# Altium PCB AIWAC_A33_RGB5寸LCD驱动板_20190109.PcbDoc (part 14 of 14)
Units mm, origin at the board's own origin, x right, y up, seen from the top; angles counter-clockwise.
Board outline 96.45 x 44.9 mm, 2 copper layers (Top Layer, Bottom Layer); 32 components, 42 nets, 22766 pads, 749 vias.
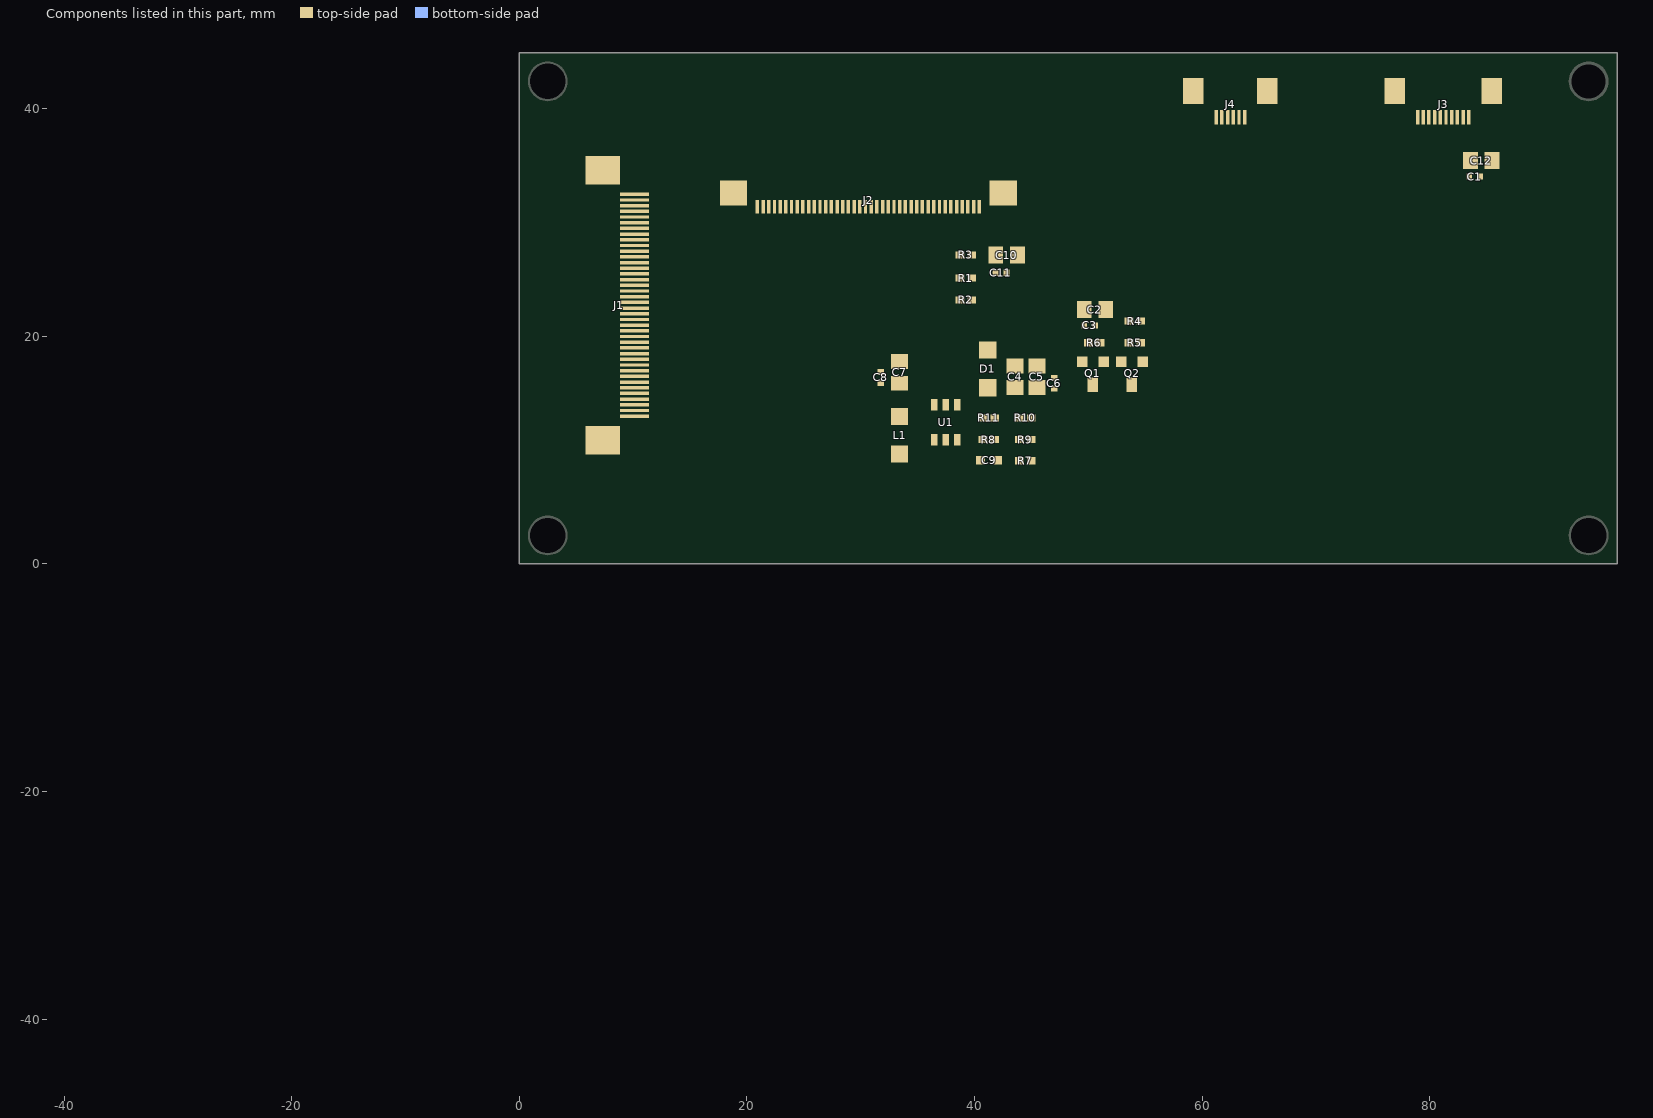
[diagram p14: the components of this part, seen from the top]

## Silkscreen, mask and mechanical layers (free items; w line width, h text height) (continued)
Mechanical 11:
  drawing of 498 lines, arcs and shapes, not listed
  text "M1" at -39.043,-44.145 h0
  text "M1" at -39.043,-44.145 h0
  text "M1" at -39.043,-44.145 h0
Mechanical 12:
  drawing of 372 lines, arcs and shapes, not listed
Mechanical 13:
  drawing of 1761 lines, arcs and shapes, not listed
Mechanical 14:
  drawing of 459 lines, arcs and shapes, not listed
Mechanical 15:
  drawing of 1848 lines, arcs and shapes, not listed
Mechanical 16:
  lines w0: -39.049,-44.11 ccw(c-39.049,-44.11) -39.048,-44.11 ; -39.049,-44.11 ccw(c-39.049,-44.11) -39.048,-44.11 ; -39.049,-44.11 ccw(c-39.049,-44.11) -39.048,-44.11 ; -39.048,-44.11 -39.048,-44.109 ; -39.049,-44.11 -39.049,-44.109 ; -39.049,-44.11 -39.049,-44.109 ; -39.048,-44.11 -39.048,-44.109 ; -39.049,-44.11 -39.049,-44.109 ; -39.048,-44.11 -39.048,-44.109 ; -39.048,-44.109 ccw(c-39.049,-44.109) -39.049,-44.109 ; -39.048,-44.109 ccw(c-39.049,-44.109) -39.049,-44.109 ; -39.048,-44.109 ccw(c-39.049,-44.109) -39.049,-44.109 ; -39.049,-44.105 ccw(c-39.049,-44.105) -39.048,-44.105 ; -39.049,-44.105 ccw(c-39.049,-44.105) -39.048,-44.105 ; -39.049,-44.105 ccw(c-39.049,-44.105) -39.048,-44.105 ; -39.048,-44.105 -39.048,-44.103 ; -39.049,-44.105 -39.049,-44.103 ; -39.049,-44.105 -39.049,-44.103 ; -39.048,-44.105 -39.048,-44.103 ; -39.049,-44.105 -39.049,-44.103 ; -39.048,-44.105 -39.048,-44.103 ; -39.048,-44.103 ccw(c-39.049,-44.103) -39.049,-44.103 ; -39.048,-44.103 ccw(c-39.049,-44.103) -39.049,-44.103 ; -39.048,-44.103 ccw(c-39.049,-44.103) -39.049,-44.103 ; -38.987,-44.094 ccw(c-38.987,-44.094) -38.987,-44.094 ; -38.987,-44.095 ccw(c-38.987,-44.095) -38.987,-44.095 ; -38.987,-44.095 ccw(c-38.987,-44.095) -38.987,-44.095 ; -38.987,-44.094 ccw(c-38.987,-44.094) -38.987,-44.094 ; -38.987,-44.095 ccw(c-38.987,-44.095) -38.987,-44.095 ; -38.987,-44.094 ccw(c-38.987,-44.094) -38.987,-44.094 ; -38.987,-44.095 -38.987,-44.094 ; -38.987,-44.095 -38.987,-44.094 ; -38.987,-44.095 -38.987,-44.094 ; -38.987,-44.095 -38.987,-44.094 ; -38.987,-44.095 -38.987,-44.094 ; -38.987,-44.095 -38.987,-44.094 ; -38.981,-44.094 ccw(c-38.981,-44.094) -38.981,-44.094 ; -38.981,-44.096 ccw(c-38.981,-44.096) -38.981,-44.096 ; -38.981,-44.096 ccw(c-38.981,-44.096) -38.981,-44.096 ; -38.981,-44.094 ccw(c-38.981,-44.094) -38.981,-44.094 ; -38.981,-44.096 ccw(c-38.981,-44.096) -38.981,-44.096 ; -38.981,-44.094 ccw(c-38.981,-44.094) -38.981,-44.094 ; -38.981,-44.096 -38.981,-44.094 ; -38.981,-44.096 -38.981,-44.094 ; -38.981,-44.096 -38.981,-44.094 ; -38.981,-44.096 -38.981,-44.094 ; -38.981,-44.096 -38.981,-44.094 ; -38.981,-44.096 -38.981,-44.094
  lines w0.001: -39.045,-44.133 cw(c-39.045,-44.133) -39.045,-44.132 ; -39.045,-44.133 ccw(c-39.045,-44.133) -39.045,-44.132 ; -39.045,-44.133 ccw(c-39.045,-44.133) -39.045,-44.132 ; -39.045,-44.133 cw(c-39.045,-44.133) -39.045,-44.132 ; -39.045,-44.133 ccw(c-39.045,-44.133) -39.045,-44.132 ; -39.045,-44.133 cw(c-39.045,-44.133) -39.045,-44.132 ; -39.045,-44.125 ccw(c-39.045,-44.125) -39.045,-44.126 ; -39.045,-44.126 ccw(c-39.045,-44.125) -39.045,-44.125 ; -39.045,-44.126 ccw(c-39.045,-44.125) -39.045,-44.125 ; -39.045,-44.125 ccw(c-39.045,-44.125) -39.045,-44.126 ; -39.045,-44.126 ccw(c-39.045,-44.125) -39.045,-44.125 ; -39.045,-44.125 ccw(c-39.045,-44.125) -39.045,-44.126
  lines w0.002: -39.048,-44.148 cw(c-39.047,-44.148) -39.047,-44.148 ; -39.048,-44.148 ccw(c-39.047,-44.148) -39.047,-44.148 ; -39.048,-44.148 ccw(c-39.047,-44.148) -39.047,-44.148 ; -39.048,-44.148 cw(c-39.047,-44.148) -39.047,-44.148 ; -39.048,-44.148 ccw(c-39.047,-44.148) -39.047,-44.148 ; -39.048,-44.148 cw(c-39.047,-44.148) -39.047,-44.148 ; -39.048,-44.096 cw(c-39.047,-44.096) -39.047,-44.096 ; -39.048,-44.096 ccw(c-39.047,-44.096) -39.047,-44.096 ; -39.048,-44.096 ccw(c-39.047,-44.096) -39.047,-44.096 ; -39.048,-44.096 cw(c-39.047,-44.096) -39.047,-44.096 ; -39.048,-44.096 ccw(c-39.047,-44.096) -39.047,-44.096 ; -39.048,-44.096 cw(c-39.047,-44.096) -39.047,-44.096 ; -38.977,-44.148 cw(c-38.976,-44.148) -38.976,-44.148 ; -38.977,-44.148 ccw(c-38.976,-44.148) -38.976,-44.148 ; -38.977,-44.148 ccw(c-38.976,-44.148) -38.976,-44.148 ; -38.977,-44.148 cw(c-38.976,-44.148) -38.976,-44.148 ; -38.977,-44.148 ccw(c-38.976,-44.148) -38.976,-44.148 ; -38.977,-44.148 cw(c-38.976,-44.148) -38.976,-44.148 ; -38.977,-44.096 cw(c-38.976,-44.096) -38.976,-44.096 ; -38.977,-44.096 ccw(c-38.976,-44.096) -38.976,-44.096 ; -38.977,-44.096 ccw(c-38.976,-44.096) -38.976,-44.096 ; -38.977,-44.096 cw(c-38.976,-44.096) -38.976,-44.096 ; -38.977,-44.096 ccw(c-38.976,-44.096) -38.976,-44.096 ; -38.977,-44.096 cw(c-38.976,-44.096) -38.976,-44.096

## Text inside footprints (layer, text, board x,y; h text height)
J2: Top Overlay "1" at 20.05,30.128 h0.76; Top Overlay "40" at 40.955,30.128 h0.76